# Altium PCB SFarmGW.PcbDoc (part 1 of 2)
Units mm, origin at the board's own origin, x right, y up, seen from the top; angles counter-clockwise.
Board outline 87.5 x 70 mm, 4 copper layers (Top Layer, GND Plane, Power Plane, Bottom Layer), stack 1.597 mm thick; 125 components, 103 nets, 518 pads, 444 vias.
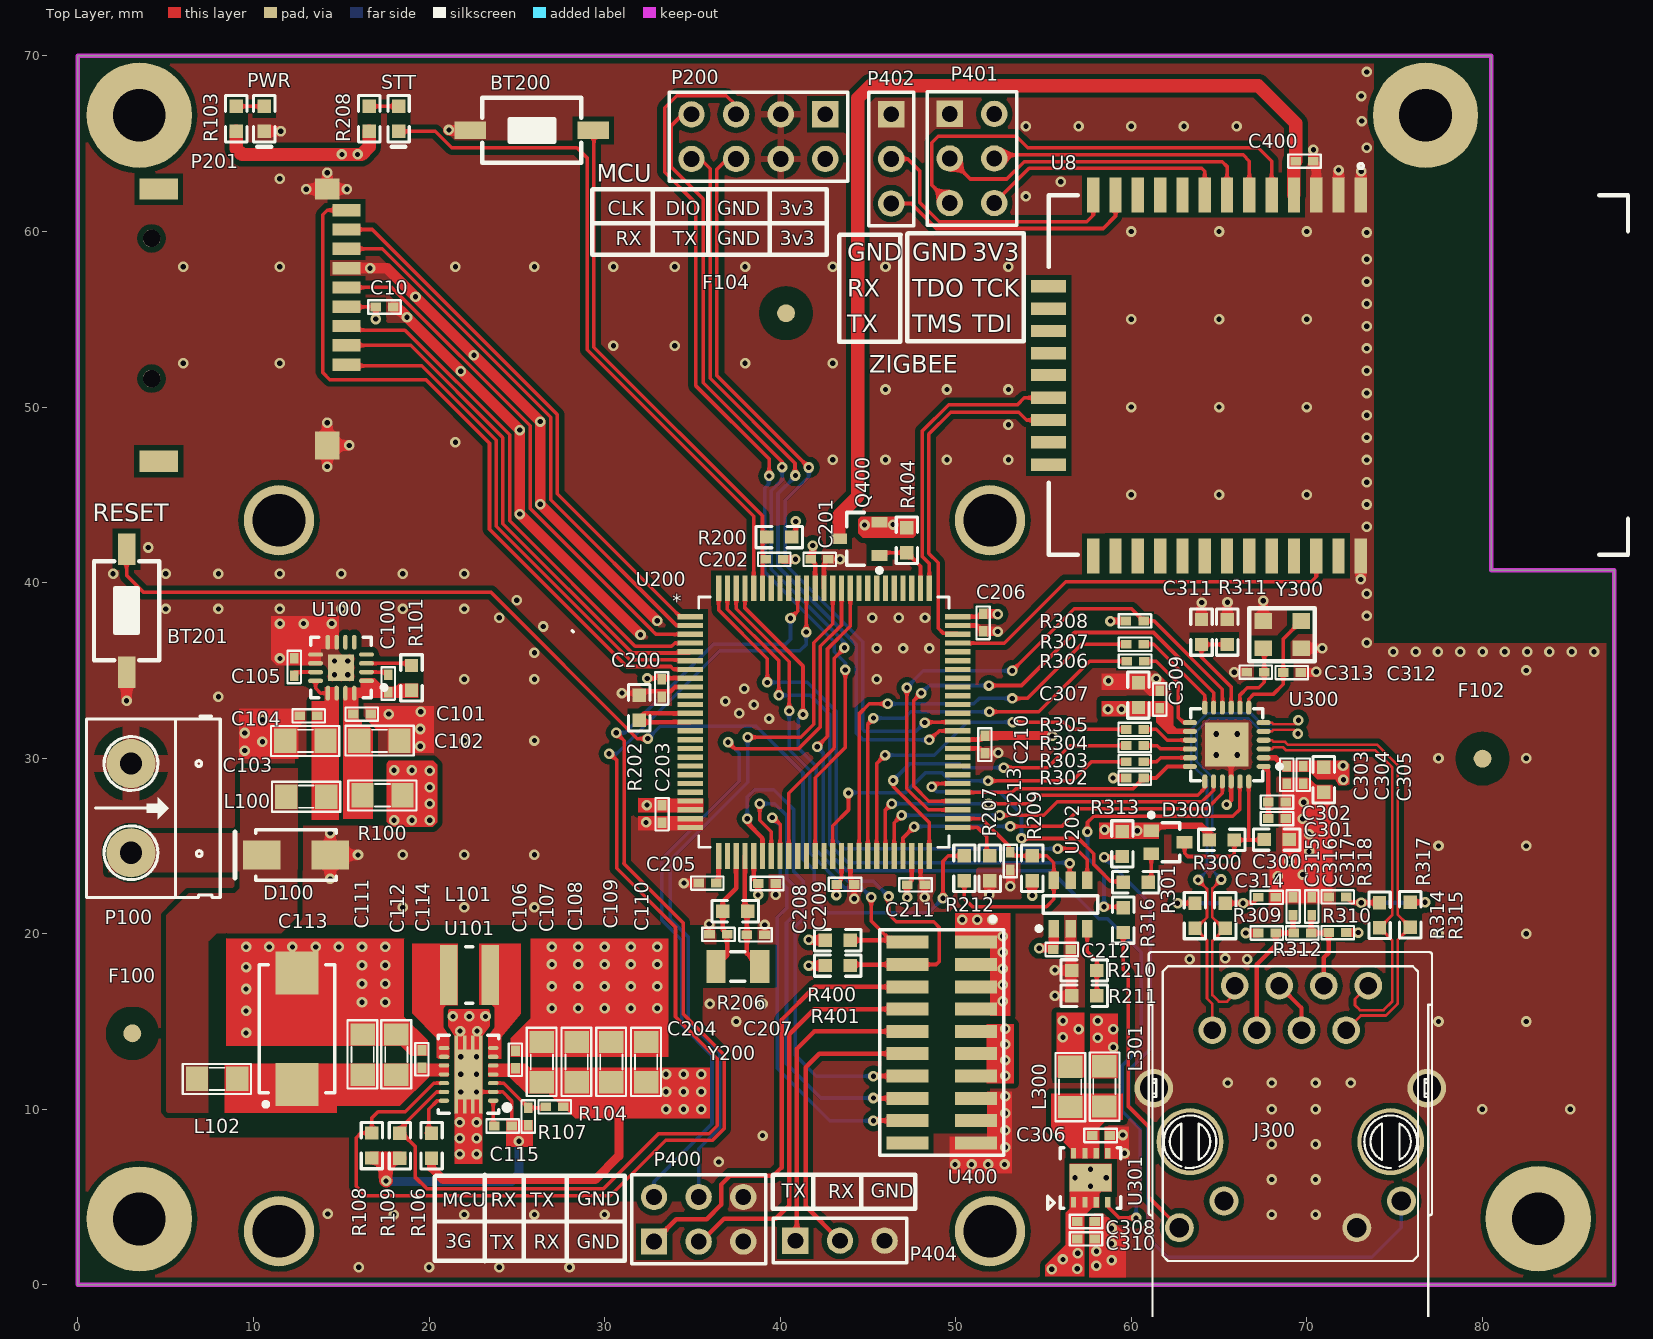
[diagram p0: Top Layer view]
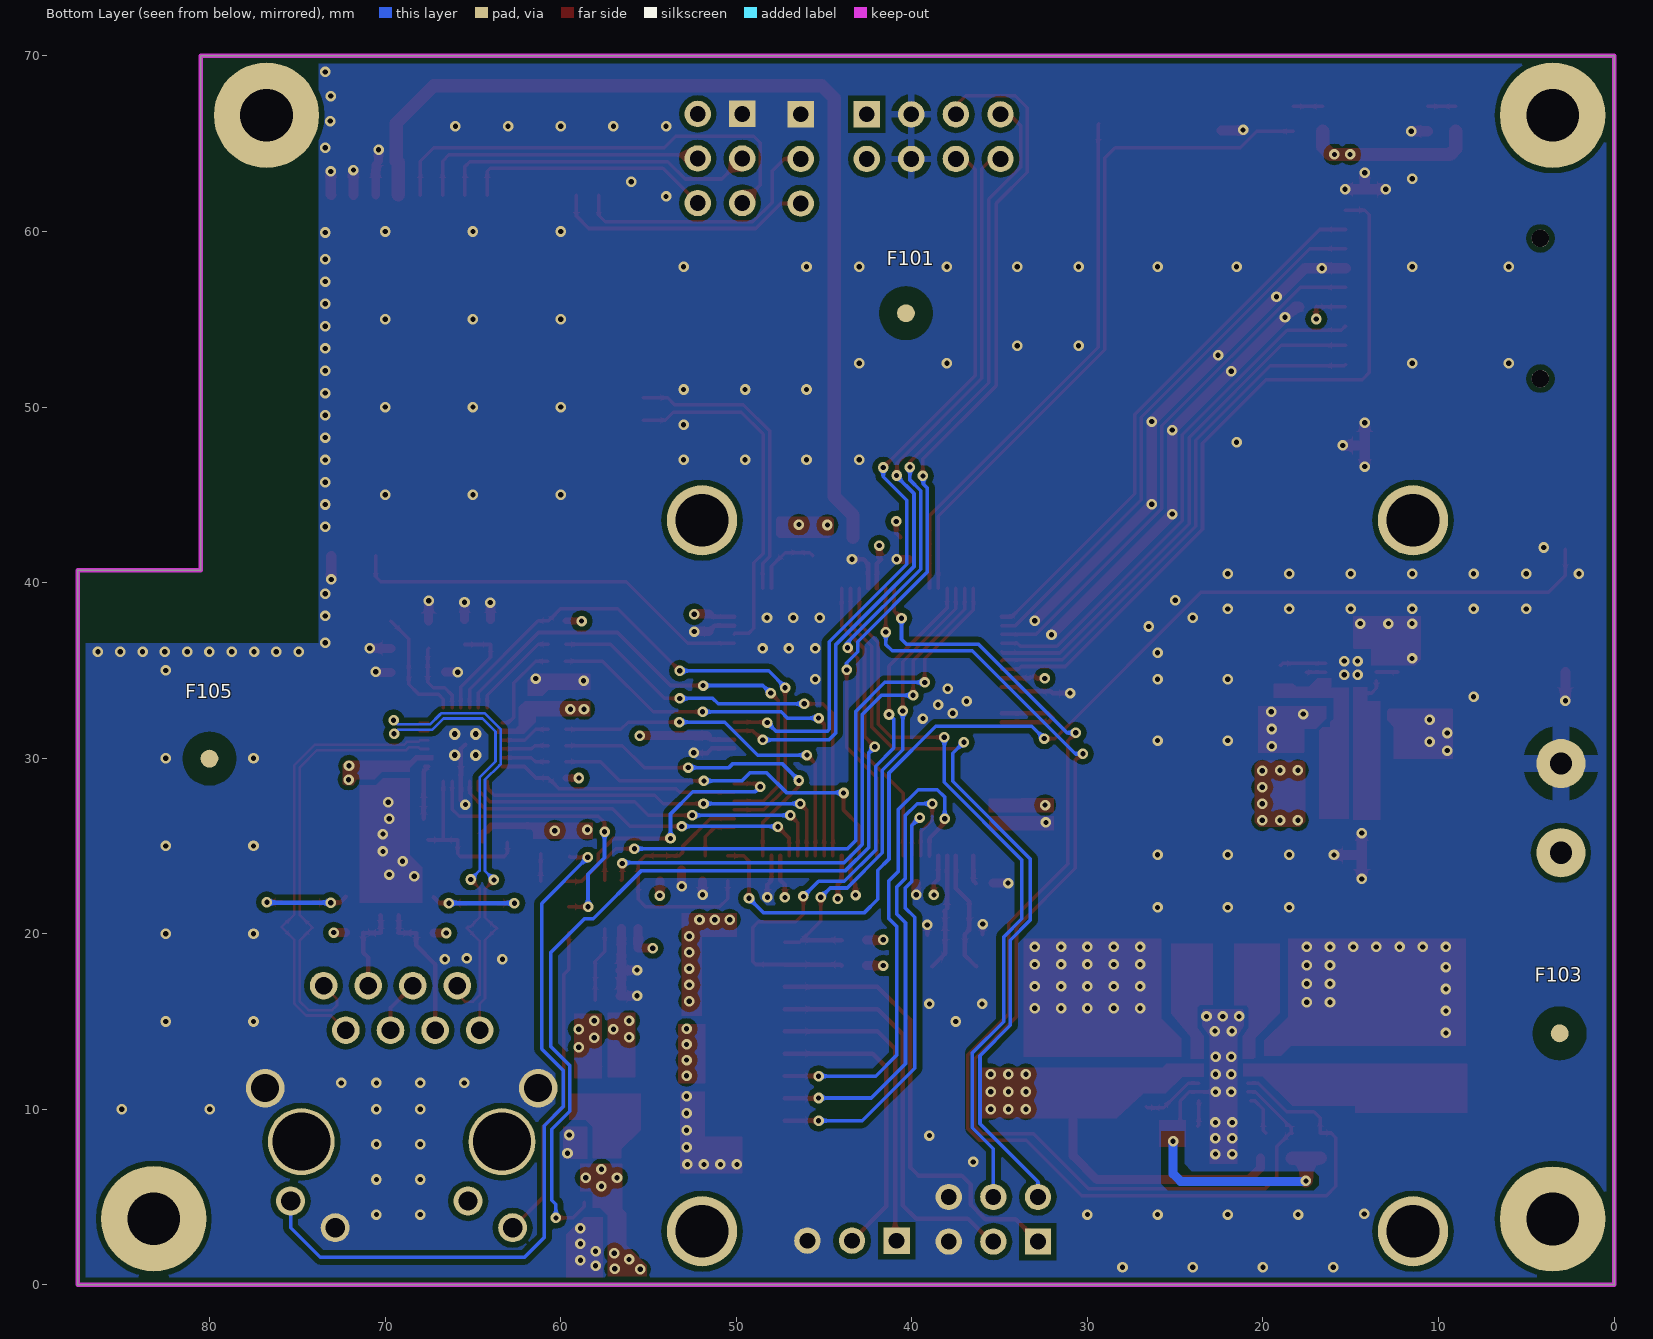
[diagram p1: Bottom Layer view, seen from below]
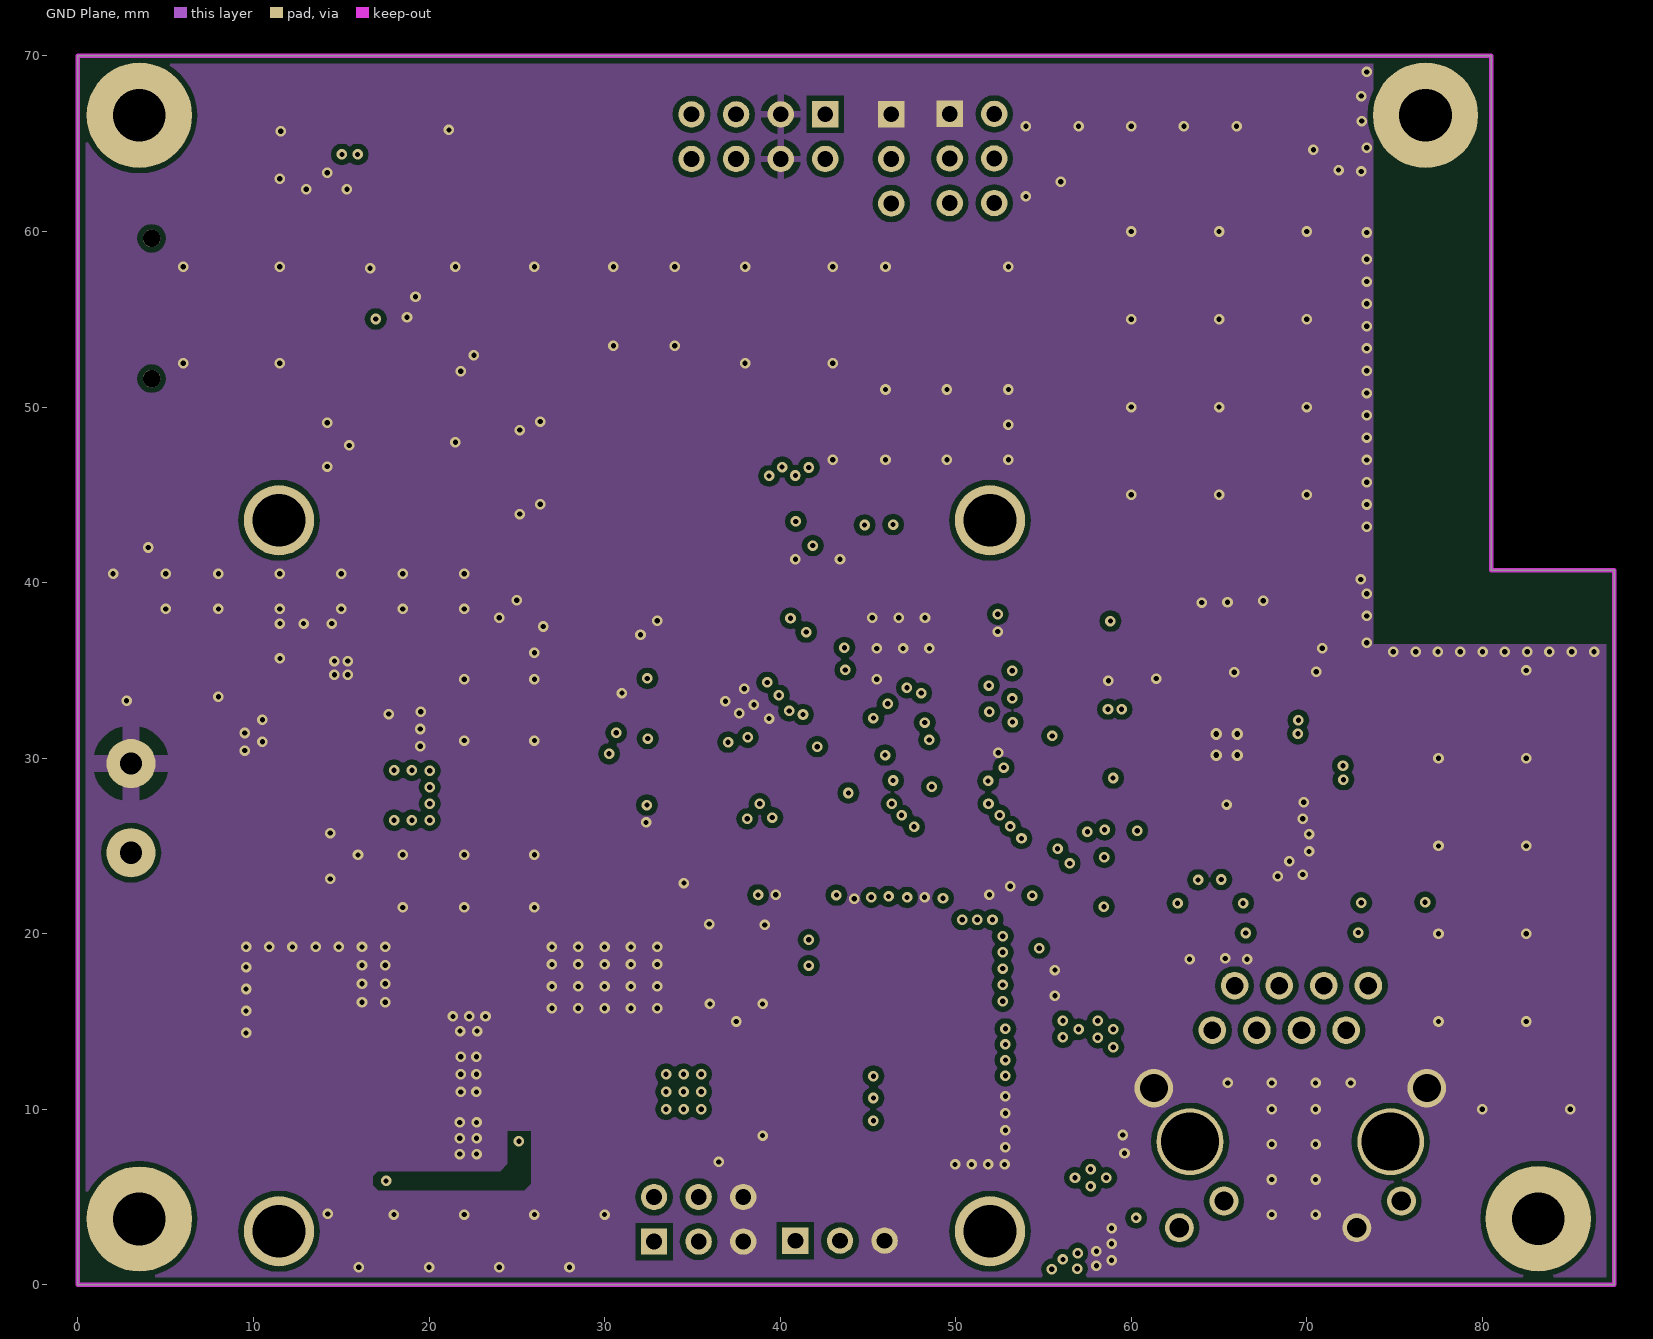
[diagram p2: GND Plane]
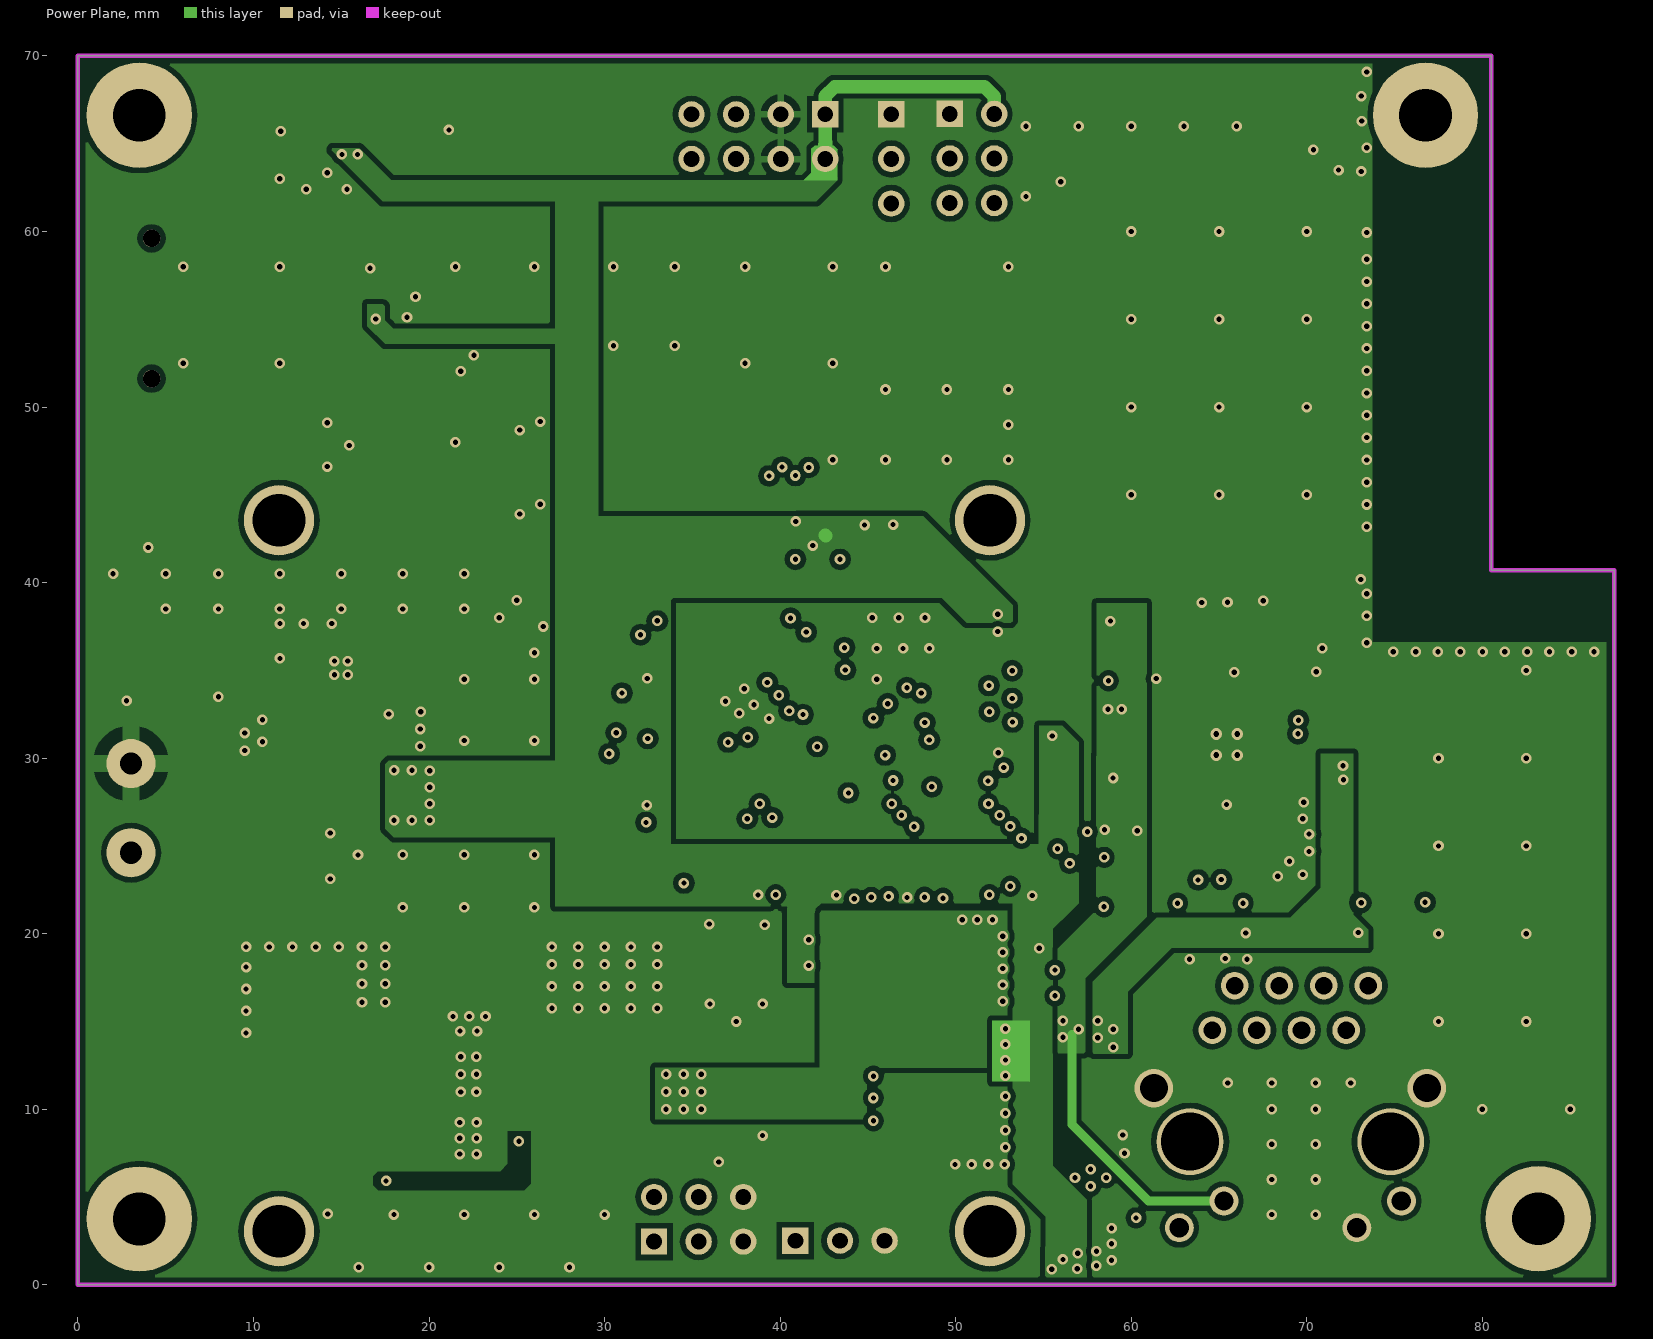
[diagram p3: Power Plane]
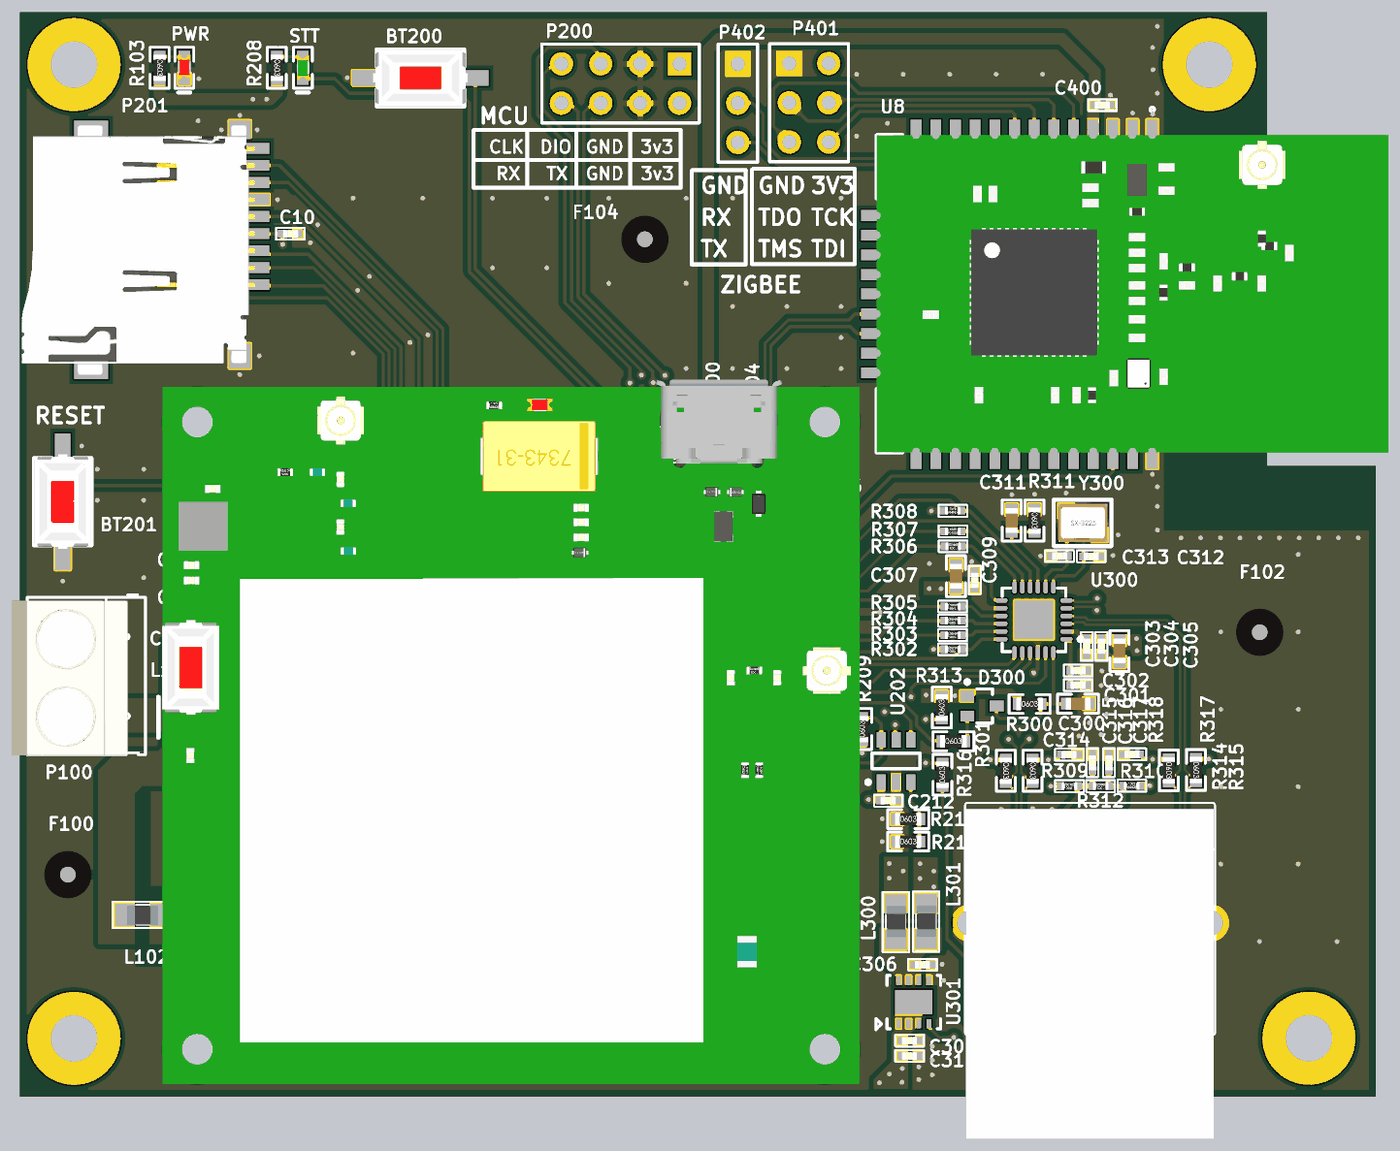
[diagram p5: 3D render of the assembled board from above, using the file's embedded part models]

## Layer stack, top to bottom
Top Solder: solder mask 0.0102, Solder Resist, Dk 3.5
Top Layer: signal copper 0.0356
Dielectric 1: core 0.1524, FR-4, Dk 4.2
GND Plane: signal copper 0.0356
Dielectric 3: prepreg 1.15, FR-4, Dk 4.2
Power Plane: signal copper 0.0356
Dielectric 2: core 0.1524, FR-4, Dk 4.2
Bottom Layer: signal copper 0.0356
Bottom Solder: solder mask 0.0102, Solder Resist, Dk 3.5

## Board outline
0,0 0,70 80.493,70 80.493,40.716 87.5,40.716 87.5,0

## Design rules (kind name [scope] priority, off if disabled: settings)
Clearance Clearance_Plane [InPolygon] p1: gap=0.305
Clearance Clearance_Ethernet [InNetClass('DFF_TX')OR InNetClass('DFF_rX')] p2: gap=0.152
Clearance [All] p3: gap=0.178
DiffPairsRouting DiffPair_ENET1_TXDiffPairsRouting [InDifferentialPair ('ENET1_TX')] p1: maxlimit=0.152 minlimit=0.152 mostfreqgap=0.152 toplayer_minwidth=0.152 toplayer_maxwidth=0.152 toplayer_prefwidth=0.152 midlayer1_minwidth=0.152 midlayer1_maxwidth=0.152 midlayer1_prefwidth=0.152 midlayer2_minwidth=0.152 midlayer2_maxwidth=0.152 midlayer2_prefwidth=0.152 bottomlayer_minwidth=0.152 bottomlayer_maxwidth=0.152 bottomlayer_prefwidth=0.152 maxuncoupledlength=12.7
DiffPairsRouting DiffPair_ENETRXDiffPairsRouting [InDifferentialPair ('ENET1_RX')] p2: maxlimit=0.152 minlimit=0.152 mostfreqgap=0.152 toplayer_minwidth=0.152 toplayer_maxwidth=0.152 toplayer_prefwidth=0.152 midlayer1_minwidth=0.152 midlayer1_maxwidth=0.152 midlayer1_prefwidth=0.152 midlayer2_minwidth=0.152 midlayer2_maxwidth=0.152 midlayer2_prefwidth=0.152 bottomlayer_minwidth=0.152 bottomlayer_maxwidth=0.152 bottomlayer_prefwidth=0.152 maxuncoupledlength=12.7
DiffPairsRouting [All] p3: maxlimit=0.254 minlimit=0.254 mostfreqgap=0.254 toplayer_minwidth=0.381 toplayer_maxwidth=0.381 toplayer_prefwidth=0.381 midlayer1_minwidth=0.381 midlayer1_maxwidth=0.381 midlayer1_prefwidth=0.381 midlayer2_minwidth=0.381 midlayer2_maxwidth=0.381 midlayer2_prefwidth=0.381 bottomlayer_minwidth=0.381 bottomlayer_maxwidth=0.381 bottomlayer_prefwidth=0.381 maxuncoupledlength=12.7
MatchedLengths DiffPair_ENET1_TXMatchedLengths [InDifferentialPair ('ENET1_TX')] p1: tolerance=0.635 checknetsindiffpair=TRUE checkdiffpairvsdiffpair=TRUE checkothers=TRUE
MatchedLengths DiffPair_ENETRXMatchedLengths [InDifferentialPair ('ENET1_RX')] p2: tolerance=0.635 checknetsindiffpair=TRUE checkdiffpairvsdiffpair=TRUE checkothers=TRUE
PolygonConnect PolygonConnectorSmall [InComponent('P200')] p1: connectstyle=Relief reliefconductorwidth=0.381 reliefentries=4 polygonreliefangle="90 Angle" airgapwidth=0.381
PolygonConnect Polygon_Connector [InComponent('P100')] p2: connectstyle=Relief reliefconductorwidth=1.016 reliefentries=4 polygonreliefangle="90 Angle" airgapwidth=0.762
PolygonConnect [All] p3: connectstyle=Direct reliefconductorwidth=0.254 reliefentries=4 polygonreliefangle="90 Angle" airgapwidth=0.254
RoutingVias [All] p1: holewidth=0.3 width=0.6 viastyle="Through Hole" minholewidth=0.2 minwidth=0.2 maxholewidth=2 maxwidth=2
SolderMaskExpansion [All] p1: expansion=0.102
Width [All] p1: maxlimit=0.762 minlimit=0.203 preferedwidth=0.254
29 further rules are at their usual default settings.

## Classes and differential pairs
component class "[03] POWER": C100 C101 C102 C103 C104 C105 C106 C107 C108 C109 C110 C111 C112 C113 C114 C115 D100 F100 F101 F102 F103 F104 F105 L100 L101 L102 P100 PWR R100 R101 R103 R104 R106 R107 R108 R109 U100 U101
component class "[04] MCU": BT200 BT201 C10 C200 C201 C202 C203 C204 C205 C206 C207 C208 C209 C210 C211 C212 C213 P200 P201 R200 R202 R206 R207 R208 R209 R210 R211 R212 STT U200 U202 Y200
component class "[05] Ethernet": C300 C301 C302 C303 C304 C305 C306 C307 C308 C309 C310 C311 C312 C313 C314 C315 C316 C317 D300 J300 L300 L301 R300 R301 R302 R303 R304 R305 R306 R307 R308 R309 R310 R311 R312 R313 R314 R315 R316 R317 R318 U300 U301 Y300
component class "[06] CONNECTIVITY": C400 P400 P401 P402 P404 Q400 R400 R401 R404 U8 U400
net class DFF_RX: ENET1_RX_N ENET1_RX_P
net class DFF_TX: ENET1_TX_N ENET1_TX_P
net class RMII: RMII0_CLKOUT RMII0_CRS_DV RMII0_RXD_0 RMII0_RXD_1 RMII0_RXER
differential pair class ENET1_RX: ENET1_RX
differential pair class ENET1_TX: ENET1_TX
differential pair ENET1_RX: +ENET1_RX_P -ENET1_RX_N
differential pair ENET1_TX: +ENET1_TX_P -ENET1_TX_N
